# Altium PCB CONTROL.PcbDoc
Units mil, origin at the board's own origin, x right, y up, seen from the top; angles counter-clockwise.
Board outline 2569.09 x 2569.09 mil, 2 copper layers (Top Layer, Bottom Layer); 14 components, 6 nets, 68 pads, 0 vias.
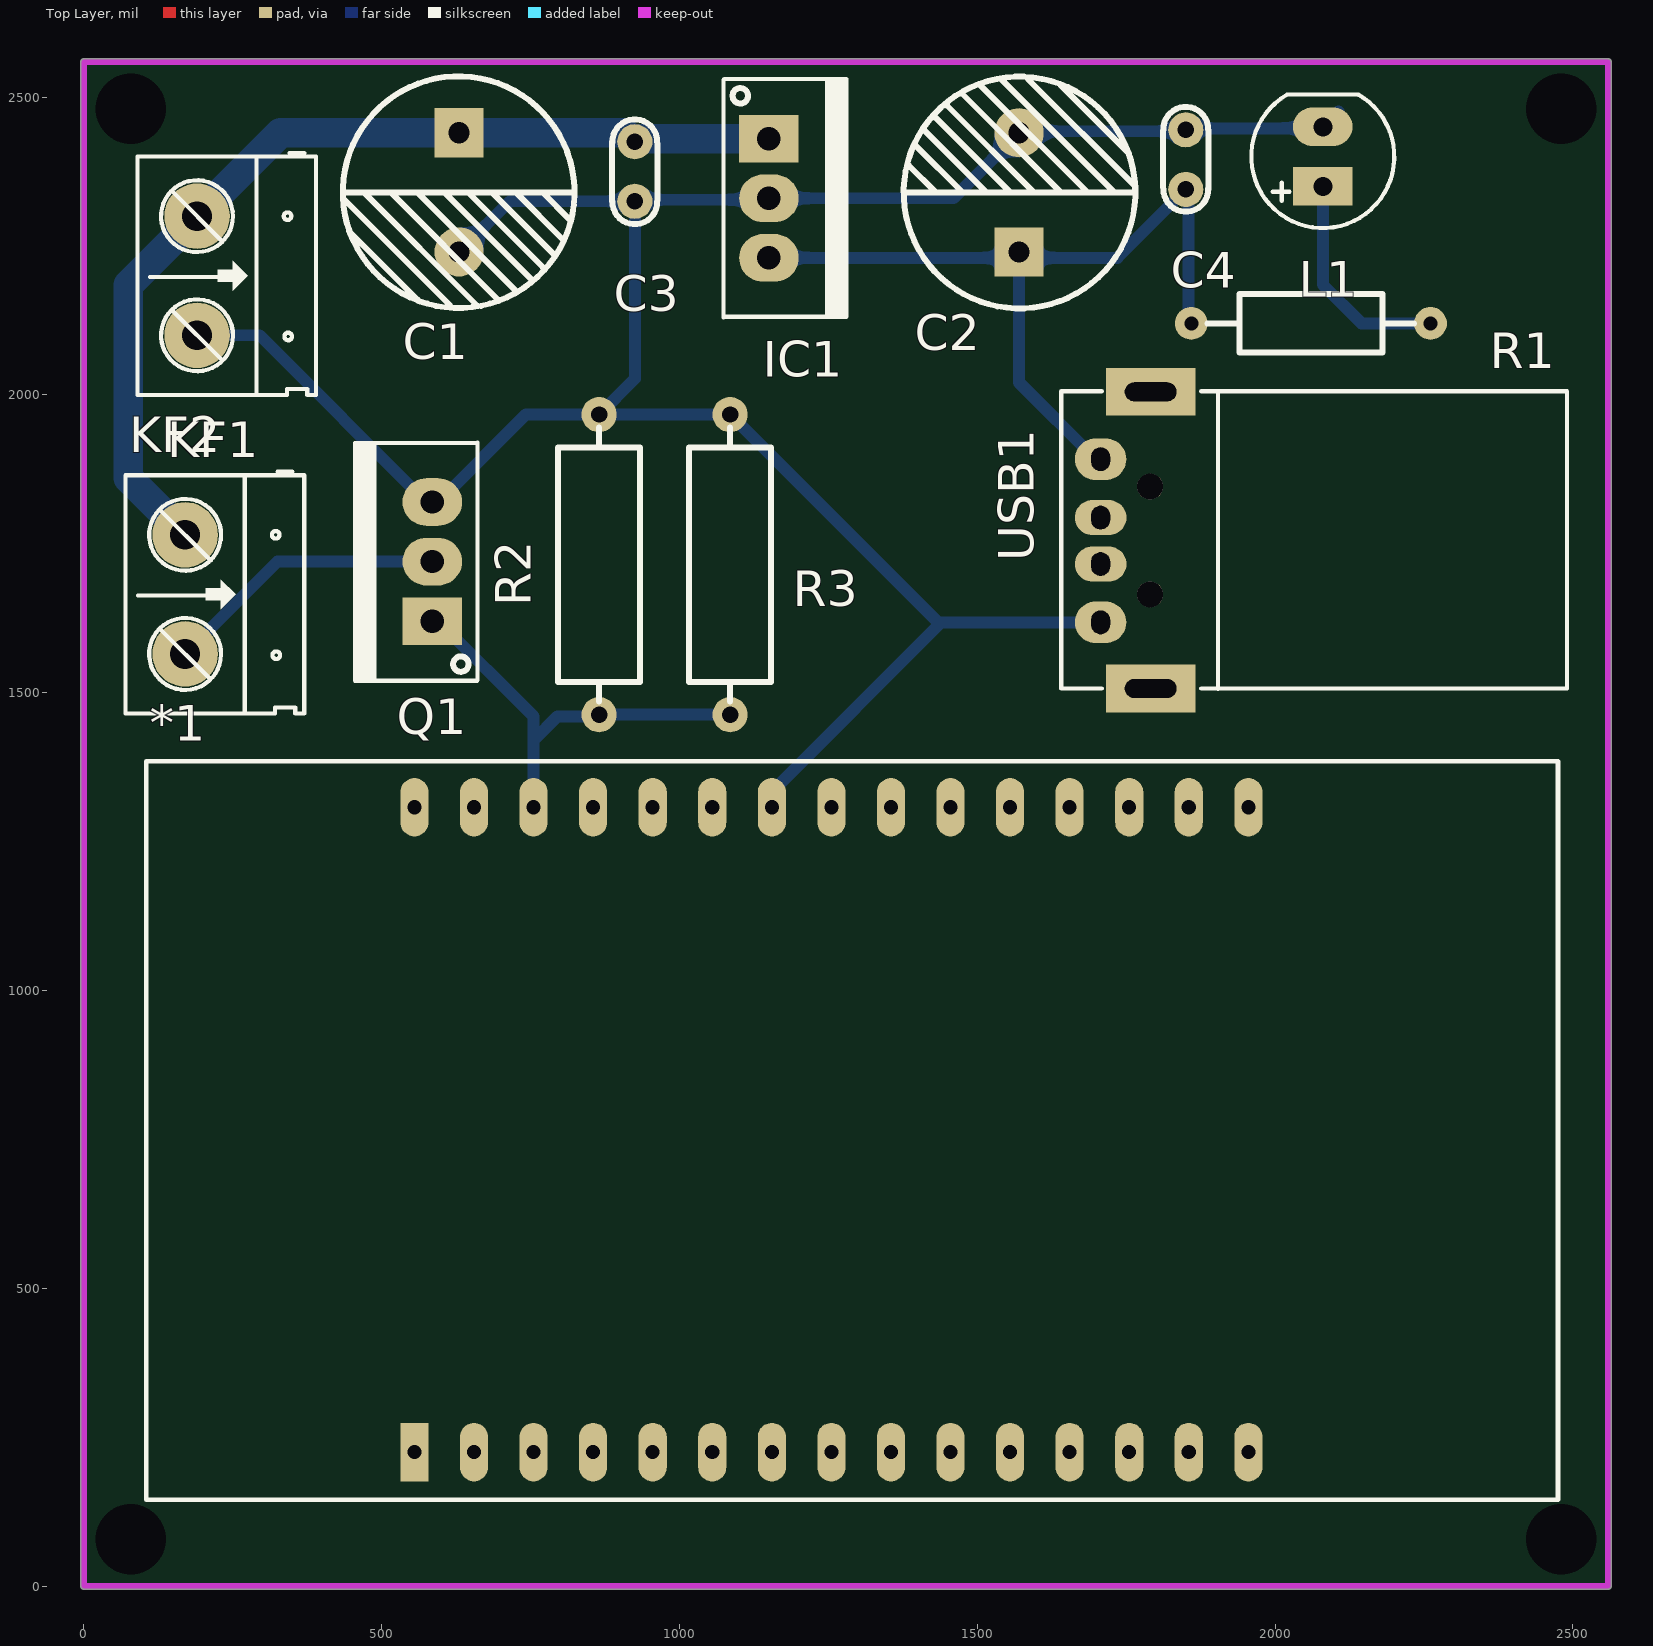
[diagram p0: Top Layer view]
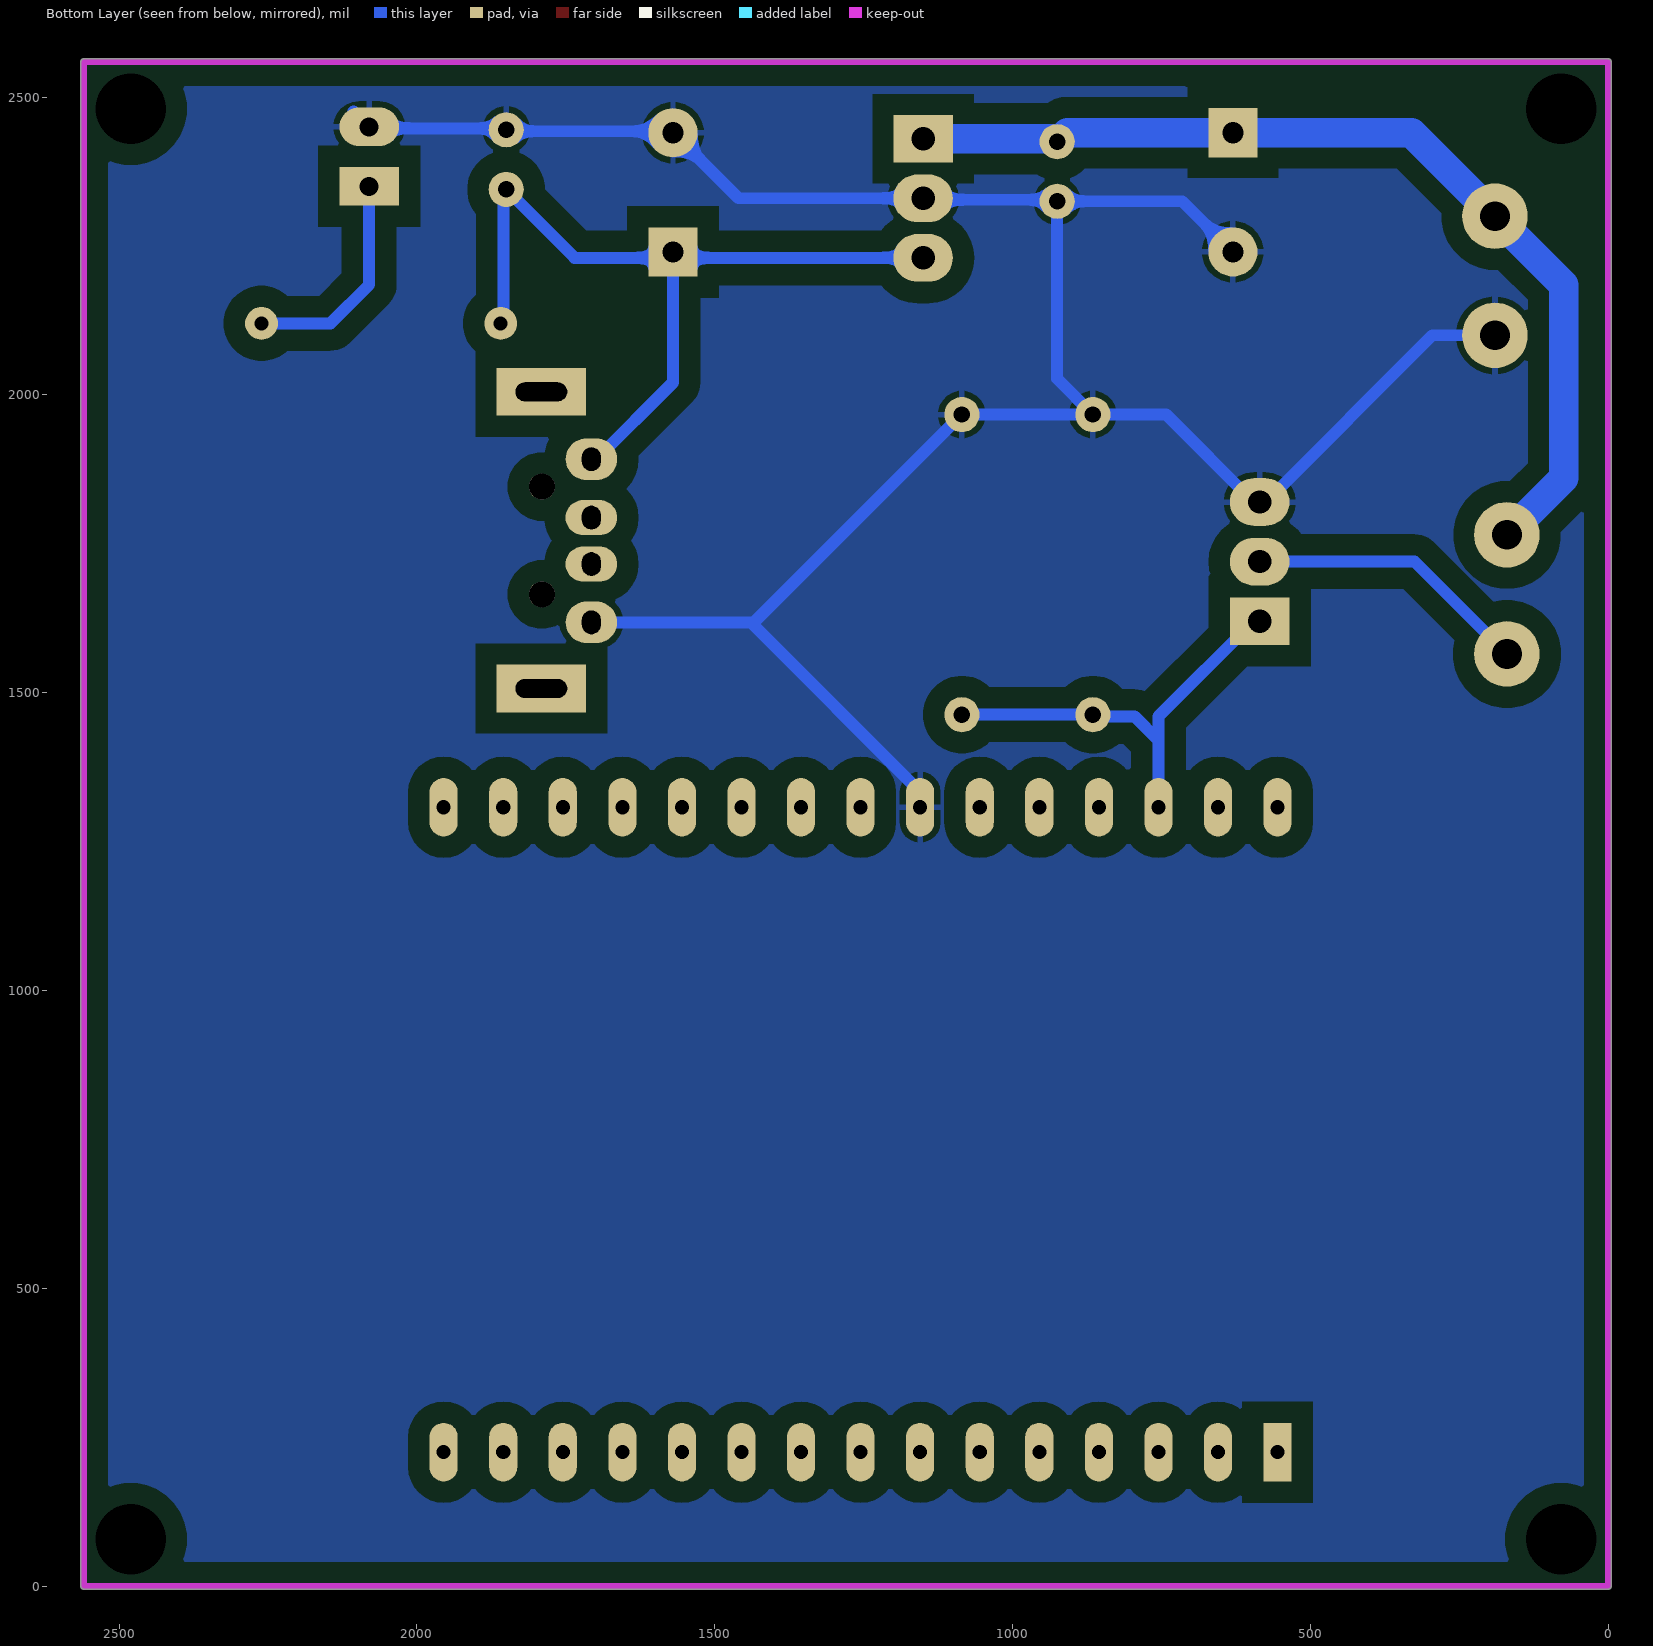
[diagram p1: Bottom Layer view, seen from below]
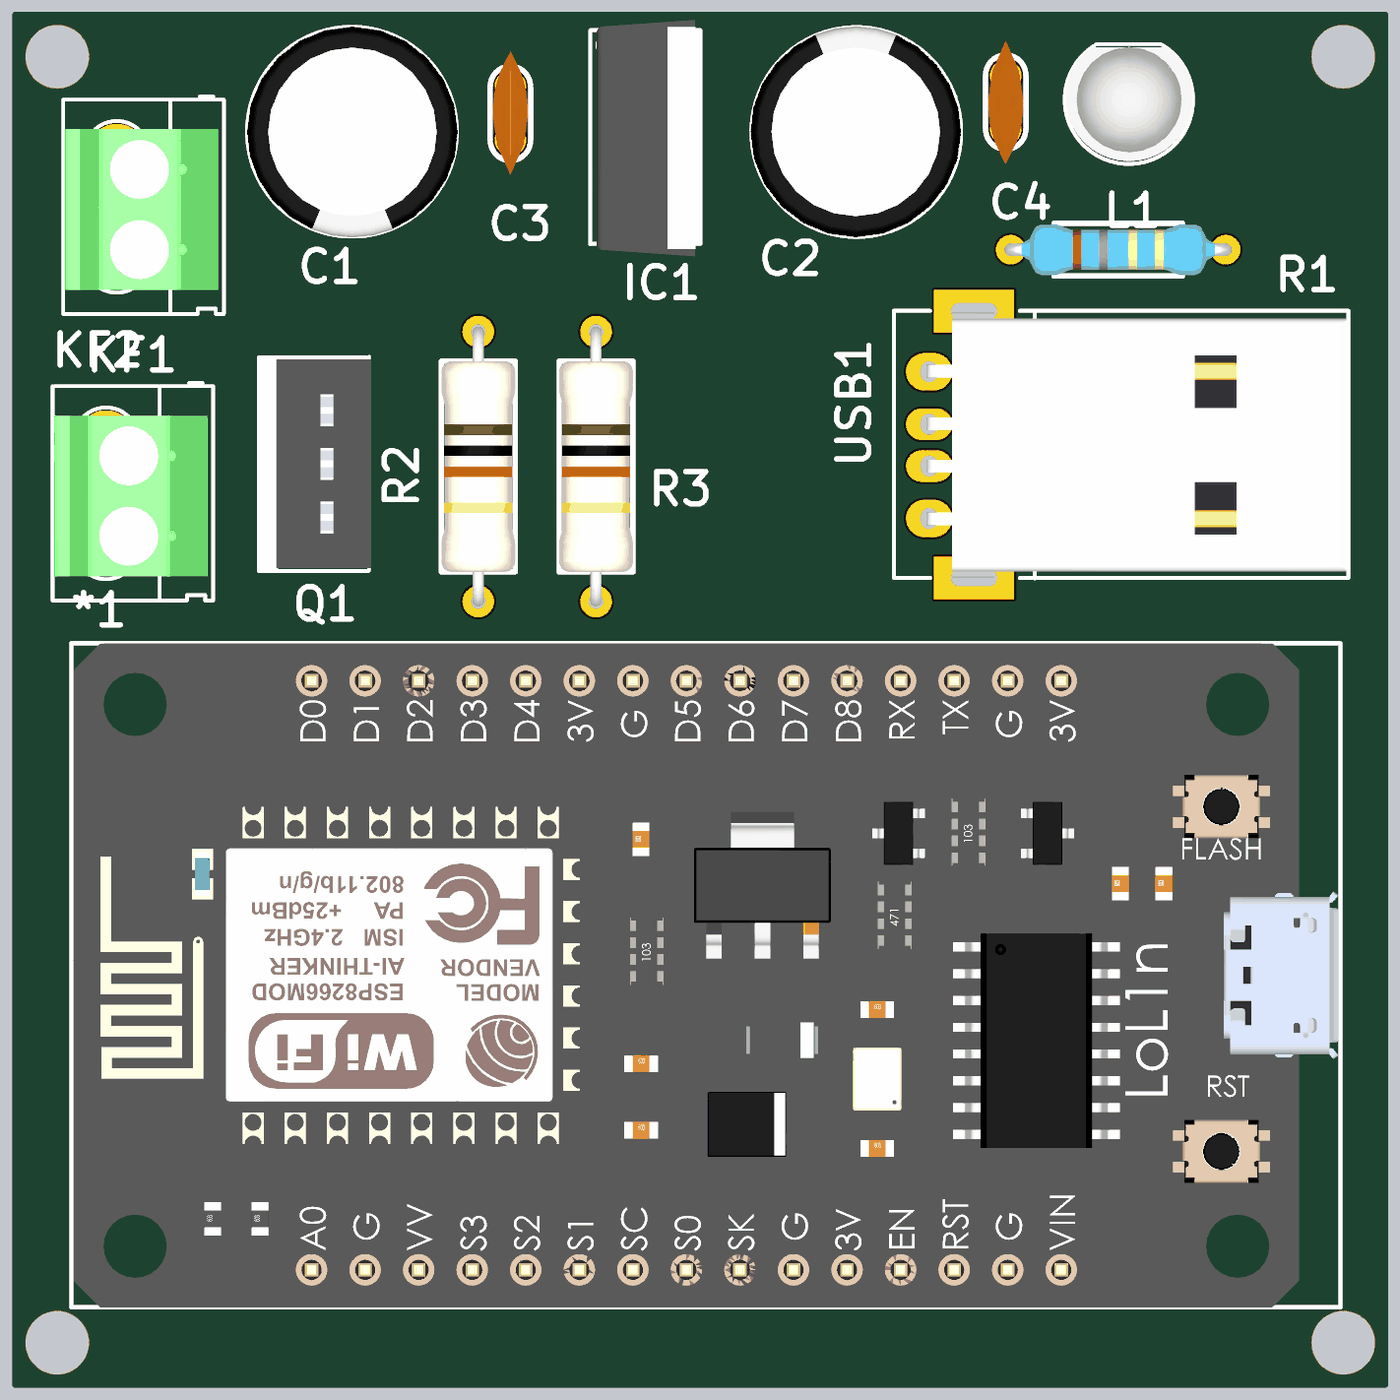
[diagram p2: 3D render of the assembled board from above, using the file's embedded part models]

## Layer stack, top to bottom
Top Solder: solder mask 0.4, Solder Resist, Dk 3.5
Top Layer: signal copper 1.4
Dielectric 1: dielectric 12.6, FR-4, Dk 4.8
Bottom Layer: signal copper 1.4
Bottom Solder: solder mask 0.4, Solder Resist, Dk 3.5

## Board outline
0,-5.01 cw(c0,0) -5.02,0 -5.01,2559.06 cw(c0,2559.06) 0,2564.07 2559.06,2564.07 cw(c2559.06,2559.06) 2564.07,2559.06 2564.07,0 cw(c2559.06,0) 2559.06,-5.01

## Design rules (kind name [scope] priority, off if disabled: settings)
Clearance [All] p1: gap=35.43 ignorepadtopadclearanceinfootprint=FALSE
PolygonConnect [All] p1: connectstyle=Relief reliefconductorwidth=10 reliefentries=4 polygonreliefangle="90 Angle" airgapwidth=10
RoomDefinition CONTROL [InComponentClass('CONTROL')] p1: confinementstyle=ConfineIn formatcopy=TRUE lockcomponents=FALSE outline 6030,-1435 11150,-1435 11150,1055 6030,1055
RoutingVias [All] p1: holewidth=28 width=50 viastyle="Through Hole" minholewidth=28 minwidth=50 maxholewidth=28 maxwidth=50
SolderMaskExpansion [All] p1: expansion=4 istentingtop=FALSE
Width [All] p1: maxlimit=50 minlimit=10 preferedwidth=20 minimp=50.000000 maximp=50.000000 favimp=50.000000
30 further rules are at their usual default settings.

## Components (designator, comment, footprint, x,y, rotation, side; value= is the part's Value field where it differs from the comment)
*1 "ESP8266 NODE MCU" "ESP8266 NODE MCU" 555,225 r90 top
C1 "1000uF" "tu hoa 10mm" 630,2340 r270 top
C2 "1000uF" "tu hoa 10mm" 1570,2340 r90 top
C3 "104" "tu gom" 925,2375 r90 top
C4 "104" "tu gom" 1850,2395 r270 top
IC1 "LM7805" QTO-220 1150,2430 r270 top
KF1 "NGuồn" "Con 2 KF301 5.08" 190,2300 r270 top
KF2 "Fan" "Con 2 KF301 5.08" 170,1765 r270 top
L1 "LED 5mm" LED-5MM-RED 2080,2350 r90 top
Q1 "IRFZ44" TO220 585,1620 r90 top
R1 "300R" "tro vach 1/4w" 2060,2120 r180 top
R2 "1k" "tro vach 1/2w" 865,1715 r270 top
R3 "1k" "tro vach 1/2w" 1085,1715 r270 top
USB1 "USB-S" USB-S1 1707,1892 r270 top value=USB

## Footprints (in the part's own frame and the unit in brackets; to place one, negate y for a bottom-side part, rotate by r counter-clockwise, add the part's x,y. Pads: shape width x height; smd on the part's side, far side on the other; paste and mask are expansions set on the pad)
"Con 2 KF301 5.08" [mil]
  round 110 hole 50: 1(0,0) 2(200,0)
  silkscreen extent -106,-100 300,200, body extent -45,-97 255,190, height 335
"ESP8266 NODE MCU" [mm]
  rect 2.5x1.2 hole 0.6: 1(0,0)
  oval 2.5x1.2 hole 0.6: 2(0,-2.54) 3(0,-5.08) 4(0,-7.62) 5(0,-10.16) 6(0,-12.7) 7(0,-15.24) 8(0,-17.78) 9(0,-20.32) 10(0,-22.86) 11(0,-25.4) 12(0,-27.94) 13(0,-30.48) 14(0,-33.02) 15(0,-35.56) 16(27.5,-35.56) 17(27.5,-33.02) 18(27.5,-30.48) 19(27.5,-27.94) 20(27.5,-25.4) 21(27.5,-22.86) 22(27.5,-20.32) 23(27.5,-17.78) 24(27.5,-15.24) 25(27.5,-12.7) 26(27.5,-10.16) 27(27.5,-7.62) 28(27.5,-5.08) 29(27.5,-2.54) 30(27.5,0)
  silkscreen extent -2.03,-48.77 29.46,11.43, body extent -2.04,-48.68 29.46,11.3, height 9.03
LED-5MM-RED [mil] "LED 2 PIN, 5 ly , Only colour,pin to pin 100mil"
  rect 65x100 hole 32: 1(0,0)
  oval 65x100 hole 32: 2(100,0)
  silkscreen extent -70,-120 154,120, body extent -65,-119 149,118, height 339
QTO-220 [mil] "TO-220 - 1-2-3"
  rect 80x100 hole 39: 1(0,0)
  oval 80x100 hole 39: 2(100,0) 3(200,0)
  silkscreen extent -100,-76 300,130, body extent -119,-64 322,121, height 905
TO220 [mil] "TO-220"
  rect 80x100 hole 39: 1(0,0)
  oval 80x100 hole 39: 2(100,0) 3(200,0)
  silkscreen extent -100,-76 300,130, body extent -95,-80 295,97, height 323
"tro vach 1/2w" [mm]
  round 1.5 hole 0.7: 1(-6.4,0) 2(6.4,0)
  silkscreen extent -5.84,-1.75 5.84,1.75, body extent -6.62,-1.75 6.62,1.75, height 3.5
"tro vach 1/4w" [mm]
  round 1.4 hole 0.6: 1(-5.1,0) 2(5.1,0)
  silkscreen extent -4.39,-1.25 4.42,1.25, body extent -5.38,-1.2 5.38,1.2, height 2.41
"tu gom" [mm] "Tu gom mini"
  round 1.5 hole 0.7: 1(-1.27,0) 2(1.27,0)
  silkscreen extent -2.25,-0.97 2.22,0.97, body extent -2.92,-0.85 2.92,0.85, height 6.12
"tu hoa 10mm" [mm]
  rect 2.1x2.1 hole 0.9: 1(-2.54,0)
  round 2.1 hole 0.9: 2(2.54,0)
  silkscreen extent -4.95,-4.96 4.93,4.92, body extent -5,-5 4.97,5, height 20.01
USB-S1 [mm] "USB A connector, 4pin, For USB sing"
  oval 1.778x2.2 hole 0.8 slot 1 at 0 deg: 1(0,0) 4(6.96,0)
  oval 1.5x2.2 hole 0.8 slot 1 at 0 deg: 2(2.489,0) 3(4.47,0)
  rect 2.032x3.81 hole 0.8 slot 2.2 at 90 deg: 5(-2.87,2.134) 6(9.779,2.134)
  round 1.1 hole 1.1: H(1.168,2.108) H(5.766,2.108)
  silkscreen extent -2.9,-1.68 9.8,19.89, body extent -2.83,-0.13 9.78,19.79, height 3.3

## Part data
C1 C2: library part "Tu Hoa 1000uF 10V 10x12", "Cắm", Chung_Loai=Cắm, Don_Vi=Con, Ma_Hang=MH006614, So_Chan=2, Ten_Linh_Kien="Tụ Hóa 1000uF 10V 10x12MM"
C3 C4: library part "Tu gom 104 50V", "Cắm", Chung_Loai=Cắm, Don_Vi=Con, Ma_Hang=MH004761, So_Chan=2, Ten_Linh_Kien="Tụ gốm 104 100nF 50V"
IC1: library part LM78xx, "On ap +, from + 5 to + 24VDC"
KF1 KF2: library part "CON 2 KF301", "Cắm", Chung_Loai=Cắm, Don_Vi=Con, Ma_Hang=MH000987, Ten_Linh_Kien="CON 2 KF301-2P 5.08MM Xanh Dương"
L1: library part "LED 5mm Do", "Cắm", Chung_Loai=Cắm, Don_Vi=Con, Ma_Hang=MH008967, Ten_Linh_Kien="Led 5MM Phủ Đỏ (1000c)"
Q1: library part "FET IRFZ44 DIP", "TO-220"
R1: library part "Tro Vach 1/4W 5% 300R", "Cắm", Chung_Loai=Cắm, Don_Vi=Con, Ma_Hang=MH007309, So_Chan=2, Ten_Linh_Kien="Trở Vạch 1/4w 5% 300R"
R2 R3: library part "Tro Vach 1/2W 5% 1k", "Cắm", Chung_Loai=Cắm, Don_Vi=Con, Ma_Hang=MH007240, So_Chan=2, Ten_Linh_Kien="Trở 5% 1/2w 1K"
USB1: library part USB_S, "USB connector"

## Free pads (board coordinates)
  round 60 hole 118.11: 14(78.74,78.74) 14(78.74,2480.31) 14(2480.32,78.74)
  round 39.37 hole 118.11: 14(2480.32,2480.31)

## Nets (pads, with @x,y where several pads share a name; then routed paths per layer and width w, separated by ;. In a path a pad name is that pad's centre, name@x,y a point inside that pad or via, vN(x,y) a via of type N, cw(c..) or ccw(c..) an arc to the next point about the centre after c; other vN are vias at no path point)
D2: *1.28 Q1.1 R2.2 R3.2 | length 736.4
  Bottom Layer w20: Q1.1 595,1620 755,1460 755,1420 ; *1.28 755,1420 ; R3.2 R2.2 861.97,1460 795,1460 755,1420
GND: *1.24 C1.2 C2.2 C3.1 C4.1 IC1.2 KF1.2 L1.2 Q1.3 R2.1 R3.1 USB1.4 | length 4197.2
  Bottom Layer w20: KF1.2 295,2100 575,1820 Q1.3 595,1820 741.97,1966.97 R2.1 ; C1.2 715,2325 C3.1 ; *1.24 1155,1333.27 1439.73,1618 ; USB1.4 1439.73,1618 ; L1.2@2085.32,2450 L1.2 2077.5,2447.5 1852.5,2447.5 C4.1 1847.5,2442.5 1572.5,2442.5 C2.2 1460,2330 IC1.2 1147.5,2327.5 927.5,2327.5 C3.1 ; L1.2@2106.11,2470.79 L1.2@2106.11,2476.11 ; R2.1 R3.1 1433.97,1618 1439.73,1618 ; R2.1 925,2026.97 C3.1
NetC2_1: C2.1 C4.2 IC1.3 R1.2 USB1.1 | length 1394.3
  Bottom Layer w20: IC1.3 1560,2230 C2.1 ; USB1.1 1698.69,1892 1570,2020.69 C2.1 ; R1.2 1854.61,2124.61 1854.61,2340.39 C4.2 1735,2230 1580,2230 C2.1
NetKF2_2: KF2.2 Q1.2 | length 479.2
  Bottom Layer w20: KF2.2 325,1720 Q1.2
NetL1_1: L1.1 R1.1 | length 372.7
  Bottom Layer w20: L1.1 2080,2185 2145,2120 R1.1
VCC: C1.1 C3.2 IC1.1 KF1.1 KF2.1 | length 1648.6
  Bottom Layer w50: KF2.1 74.57,1860.43 74.57,2184.57 KF1.1 330,2440 C1.1 907.55,2440 922.55,2425 C3.2 927.45,2425 932.45,2430 IC1.1
pads on no net: *1.1 *1.2 *1.3 *1.4 *1.5 *1.6 *1.7 *1.8 *1.9 *1.10 *1.11 *1.12 *1.13 *1.14 *1.15 *1.16 *1.17 *1.18 *1.19 *1.20 *1.21 *1.22 *1.23 *1.25 *1.26 *1.27 *1.29 *1.30 USB1.2 USB1.3 USB1.5 USB1.6 USB1.H

## Polygon pours and split planes (outlines as drawn)
GND on Bottom Layer "GND_L02_P000" (solid, remove dead copper, pour order 0): 0,0 0,2560 2560,2560 2560,0

## Keep-outs
Keep-Out Layer:
  lines w10: 0,0 2559.06,0 2559.06,2559.06 0,2559.06 0,0